# Altium PCB PCB.PcbDoc (part 4 of 10)
Units mm, origin at the board's own origin, x right, y up, seen from the top; angles counter-clockwise.
Board outline 25 x 25 mm, 10 copper layers (Top Layer, bu3, bu2, bu1, Core1, Core1b, bu1b, bu2b, bu3b, Bottom Layer), stack 1.2 mm thick; 43 components, 310 nets, 1945 pads, 12307 vias.
Unrouted connection lines stored in the file: 68.
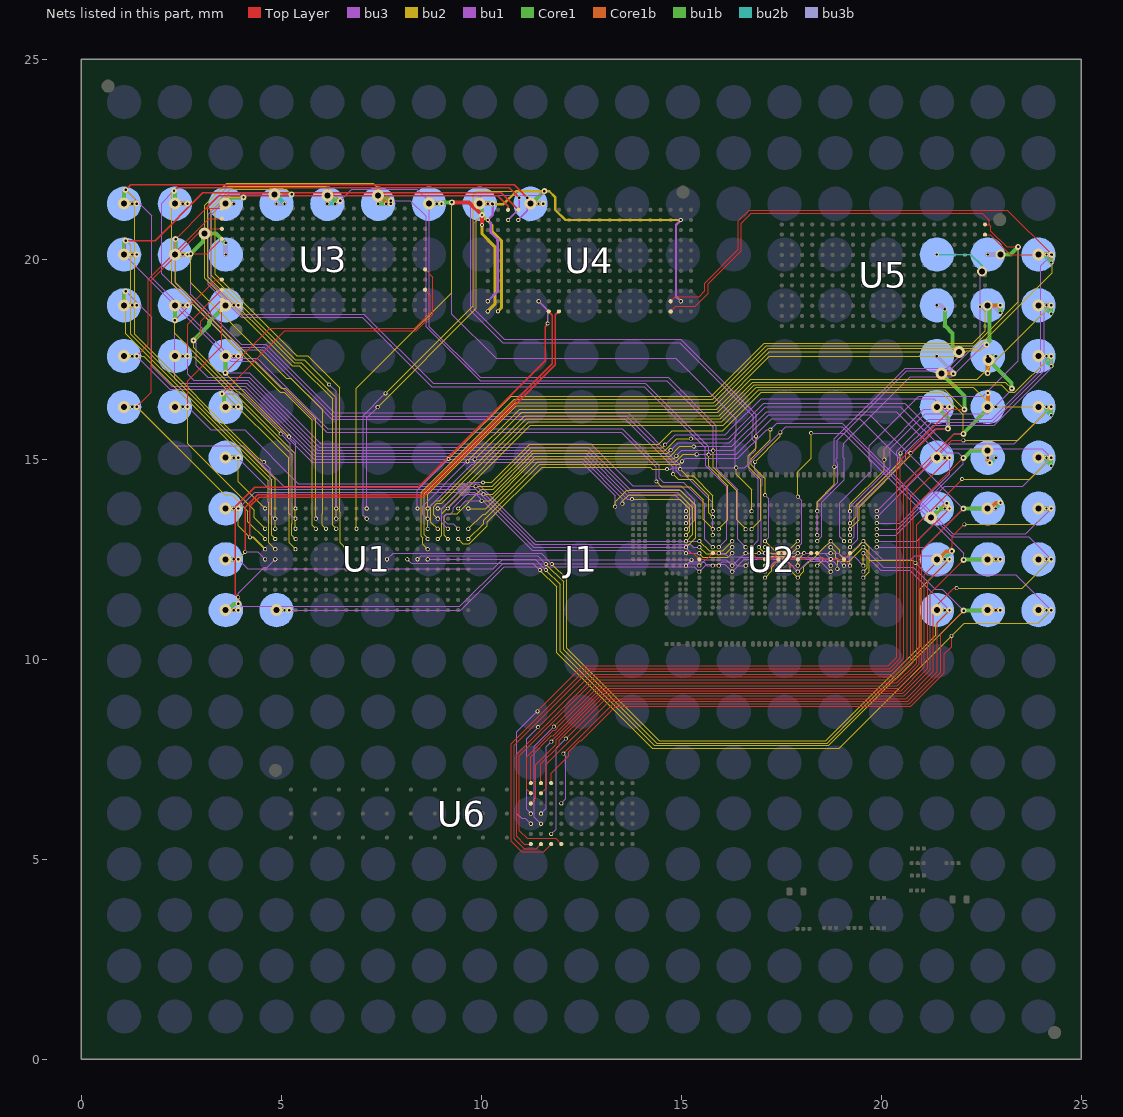
[diagram p12: the nets of this part, all layers, seen from the top]

## Via types
v1: diameter 0.1, hole 0.06, Top Layer to bu3, 2216 vias
v2: diameter 0.1, hole 0.06, bu3 to bu2, 1881 vias
v3: diameter 0.1, hole 0.06, bu3b to Bottom Layer, 1302 vias
v4: diameter 0.1, hole 0.06, bu2b to bu3b, 1272 vias
v5: diameter 0.1, hole 0.06, bu2 to bu1, 1248 vias
v6: diameter 0.15/0.1 (per signal layer), hole 0.06, Core1b to bu1b, 1224 vias
v7: diameter 0.1/0.15 (per signal layer), hole 0.06, bu1 to Core1, 1096 vias
v8: diameter 0.1, hole 0.06, bu1b to bu2b, 1021 vias
v9: diameter 0.25, hole 0.15, Core1 to Core1b, 537 vias
v10: diameter 0.3, hole 0.15, Core1 to Core1b, 253 vias
v11: diameter 0.1/0.1 (per signal layer), hole 0.06, bu1b to bu2b, 114 vias
v12: diameter 0.26, hole 0.15, Core1 to Core1b, 81 vias
v13: diameter 0.1, hole 0.06, bu1 to Core1, 52 vias
v14: diameter 0.105, hole 0.06, Top Layer to bu3, 6 vias
v15: diameter 0.1, hole 0.06, Core1b to bu1b, 4 vias

## Nets (pads, with @x,y where several pads share a name; then routed paths per layer and width w, separated by ;. In a path a pad name is that pad's centre, name@x,y a point inside that pad or via, vN(x,y) a via of type N, cw(c..) or ccw(c..) an arc to the next point about the centre after c; other vN are vias at no path point) (continued)
sig_C11: J1.C11 U1.K2 U2.284 U4.A2 U4.A10 U4.T2 U4.T10 | length 38.3
  bu3 w0.03: v1(7.133,13.516) 7.043,13.606 7.043,16.09 7.601,16.648 v2(7.605,16.648)
  bu3 w0.06: v1(10.162,18.952) 10.406,19.196 10.406,20.5 10.24,20.666 10.24,20.906 v1(10.162,20.984) 10.287,21.109 v2(10.287,21.379) ; v1(14.988,18.952) 14.866,19.074 14.866,20.862 v1(14.988,20.984)
  Core1 w0.1: v3(11.23,21.39) 11.249,21.39 11.561,21.702 v5(11.575,21.702)
  Core1b w0.1: v3(11.23,21.39) v6(11.545,21.391)
  bu3b w0.1: v3(11.23,21.39) v4(11.43,21.39)
  bu2 w0.03: v2(7.605,16.648) 9.797,18.84 9.797,21.619 9.88,21.702 10.877,21.702
  bu2 w0.06: v2(10.287,21.379) 10.554,21.379 10.877,21.702 v5(11.575,21.702) 11.697,21.702 11.845,21.554 11.845,21.241 12.102,20.984 v1(14.988,20.984)
  bu2b w0.1: v3(11.23,21.39) v4(11.43,21.39)
  bu1 w0.03: v5(11.575,21.702) 11.479,21.606 10.012,21.606 9.739,21.333 9.739,18.714 10.535,17.918 14.962,17.918 16.799,16.081 16.799,15.72 16.778,15.699 16.778,15.496 16.858,15.416 16.858,15.227 16.704,15.073 16.704,14.732 16.928,14.508 16.928,12.975 v1(16.757,12.804)
  bu1b w0.1: v3(11.23,21.39) v6(11.545,21.391)
  other v2: 16.757,12.804 14.988,20.984
  other v5: 16.757,12.804
  other v7: 11.575,21.702
  other v8: 11.23,21.39
  other v10: 11.23,21.39
sig_C12: J1.C12 U1.K1 U2.281 U4.B11 | length 26.3
  bu3 w0.03: v1(7.133,13.77) 7.133,16.033 7.406,16.306 v2(7.41,16.306)
  Core1 w0.1: v3(9.96,21.39) 9.998,21.352 9.998,21.14 10.017,21.122 v7(10.017,21.108)
  Core1b w0.1: v3(9.96,21.39) v6(10.275,21.391)
  bu3b w0.1: v3(9.96,21.39) v4(10.16,21.39)
  bu2 w0.03: v2(7.41,16.306) 9.878,18.774 9.878,20.969 v7(10.017,21.108) ; v2@16.757,13.259 16.983,13.485 16.983,14.501 16.67,14.814 16.67,15.095 16.868,15.293 v5(16.868,15.574)
  bu2 w0.08: v7(10.017,21.108) 10.267,20.858 10.267,20.7 10.505,20.462 10.505,18.787 v1(10.416,18.698)
  bu2b w0.1: v3(9.96,21.39) v4(10.16,21.39)
  bu1 w0.03: v7(10.017,21.108) 9.821,20.912 9.821,18.748 10.569,18 14.982,18 16.868,16.114 v5(16.868,15.574)
  bu1b w0.1: v3(9.96,21.39) v6(10.275,21.391)
  other v1: 16.757,13.254
  other v2: 16.757,13.254 10.416,18.698
  other v5: 10.017,21.108
  other v8: 9.96,21.39
  other v10: 9.96,21.39
sig_C13: J1.C13 U1.J3 U2.278 U4.A11 | length 27.8
  Top Layer w0.1: v5(9.264,21.426) 9.696,21.426 10.018,21.104 v1(10.018,20.859)
  Core1 w0.1: v10(8.69,21.39) 8.697,21.384 8.99,21.384 9.033,21.426 v5(9.264,21.426)
  Core1b w0.1: v10(8.69,21.39) v6(9.005,21.391)
  bu3b w0.1: v10(8.69,21.39) v4(8.89,21.39)
  bu2 w0.03: v1(6.879,13.262) 6.879,16.777 9.265,19.163 9.265,21.425 v5(9.264,21.426) ; v5(16.371,14.793) 16.371,14.631 16.757,14.245 v2(16.757,13.704)
  bu2 w0.08: v1(10.018,20.859) 10.016,20.857 10.016,20.638 10.34,20.314 10.34,18.876 v2(10.162,18.698)
  bu2b w0.1: v10(8.69,21.39) v4(8.89,21.39)
  bu1 w0.03: v5(9.264,21.426) 9.264,18.629 10.371,17.522 14.856,17.522 16.379,15.999 16.379,15.641 16.347,15.609 16.347,14.836 16.371,14.812 v5(16.371,14.793)
  bu1b w0.1: v10(8.69,21.39) v6(9.005,21.391)
  other v1: 16.757,13.704 10.162,18.698 9.264,21.426
  other v2: 6.879,13.262 10.018,20.859 9.264,21.426
  other v3: 8.69,21.39
  other v7: 9.264,21.426
  other v8: 8.69,21.39
sig_C14: J1.C14 U1.H3 U2.294 | length 31
  Core1 w0.1: v10(7.419,21.593) 7.457,21.555 7.637,21.555 7.723,21.468 v7(7.737,21.468)
  Core1b w0.1: v10(7.419,21.593) 7.457,21.593 7.65,21.4 7.725,21.4 v6(7.735,21.391)
  bu3b w0.1: v3(7.42,21.39) v4(7.62,21.39)
  bu2 w0.03: v1(6.371,13.262) 6.281,13.352 6.281,13.64 6.287,13.646 6.287,16.509 5.451,17.345 5.272,17.345 3.084,19.533 3.084,21.353 3.632,21.901 7.304,21.901 v7(7.737,21.468) ; v5(15.797,15.219) 15.797,14.803 16.381,14.219 16.381,13.485 v2@16.607,13.259
  bu2b w0.1: v3(7.42,21.39) v4(7.62,21.39)
  bu1 w0.03: v7(7.737,21.468) 8.229,21.468 8.621,21.076 8.621,18.32 9.971,16.97 14.635,16.97 15.797,15.808 v5(15.797,15.219)
  bu1b w0.1: v3(7.42,21.39) v6(7.735,21.391)
  other v1: 16.607,13.254
  other v2: 6.371,13.262 16.607,13.254
  other v5: 7.737,21.468
  other v8: 7.42,21.39
sig_C15: J1.C15 U1.H2 U2.297 | length 31.1
  Core1 w0.1: v6(6.151,21.598) 6.205,21.598 6.333,21.471 6.459,21.471 v7(6.469,21.461)
  bu3b w0.1: v3(6.15,21.39) v4(6.35,21.39)
  bu2 w0.03: v1(6.371,13.516) 6.371,16.541 5.496,17.416 5.319,17.416 3.166,19.569 3.166,21.323 3.674,21.831 6.099,21.831 v7(6.469,21.461)
  bu2b w0.1: v3(6.15,21.39) v4(6.35,21.39)
  bu1 w0.03: v7(6.469,21.461) 6.766,21.758 8.392,21.758 8.701,21.449 8.701,18.32 9.971,17.05 14.668,17.05 15.877,15.841 15.877,15.45 15.867,15.44 15.867,15.3 15.887,15.28 15.887,14.76 16.407,14.24 16.407,13.004 v5(16.607,12.804)
  bu1b w0.1: v6(6.151,21.598) v8@6.151,21.391 ; v3(6.15,21.39) v8@6.151,21.391
  other v1: 16.607,12.804
  other v2: 16.607,12.804 6.371,13.516
  other v5: 6.469,21.461
  other v8: 6.15,21.39
  other v10: 6.151,21.598
sig_C16: J1.C16 U1.H1 U2.313 | length 33.1
  bu3 w0.03: v2(6.198,16.87) 6.371,16.697 v1(6.371,13.77)
  Core1 w0.1: v6(4.832,21.617) 4.836,21.621 5.255,21.621 v7(5.26,21.626)
  bu3b w0.1: v3(4.88,21.39) v4(5.08,21.39)
  bu2 w0.03: v7(5.26,21.626) 5.252,21.626 5.12,21.758 3.717,21.758 3.246,21.287 3.246,19.602 5.354,17.494 5.574,17.494 v2(6.198,16.87)
  bu2b w0.1: v6(4.832,21.617) 4.853,21.617 v4(5.08,21.39)
  bu1 w0.03: v7(5.26,21.626) 5.058,21.626 5.046,21.638 3.685,21.638 3.178,21.131 3.178,19.37 4.001,18.547 7.029,18.547 8.762,16.814 14.067,16.814 15.593,15.288 15.593,15.079 15.615,15.057 15.615,14.839 16.137,14.317 16.137,13.004 v5(15.937,12.804)
  other v1: 15.937,12.804
  other v2: 15.937,12.804
  other v5: 5.26,21.626
  other v8: 4.832,21.617
  other v10: 4.832,21.617
sig_C17: J1.C17 U1.I5 U2.310 | length 30.9
  Core1 w0.1: v3(3.61,21.39) 3.614,21.39 3.771,21.547 v7(4.055,21.547)
  bu3b w0.1: v3(3.61,21.39) v4(3.81,21.39)
  bu2 w0.03: v7(4.055,21.547) 3.624,21.547 3.347,21.27 3.347,19.625 5.382,17.59 5.66,17.59 6.456,16.794 6.456,13.685 6.469,13.672 6.469,12.913 v2@6.628,12.754 ; v5(15.683,15.117) 15.683,14.823 16.163,14.343 16.163,13.485 v2@15.937,13.259
  bu2b w0.1: v3(3.61,21.39) v4(3.81,21.39)
  bu1 w0.03: v7(4.055,21.547) 3.688,21.547 3.249,21.108 3.249,19.415 4.035,18.629 7.063,18.629 8.796,16.896 14.101,16.896 15.685,15.312 15.685,15.119 v5(15.683,15.117)
  other v1: 6.625,12.754 15.937,13.254
  other v2: 6.625,12.754 15.937,13.254
  other v5: 4.055,21.547
  other v6: 3.61,21.39
  other v8: 3.61,21.39
  other v10: 3.61,21.39
sig_C18: J1.C18 U1.F3 U2.321 U4.C2 | length 39.7
  Top Layer w0.035: v1(2.316,21.713) 2.394,21.791 10.7,21.791 v1(10.95,21.541)
  bu3 w0.035: v1(10.67,20.984) 10.95,21.264 v1(10.95,21.541)
  Core1 w0.1: v1(2.316,21.713) 2.316,21.699 2.34,21.675 v8(2.34,21.39)
  Core1b w0.1: v8(2.34,21.39) v6(2.655,21.391)
  bu3b w0.1: v8(2.34,21.39) v4(2.54,21.39)
  bu2 w0.03: v1(2.316,21.713) 2.262,21.659 2.262,19.399 4.978,16.683 5.076,16.683 5.779,15.98 5.779,13.646 5.773,13.64 5.773,13.352 v1(5.863,13.262) ; v5(14.795,14.629) 14.922,14.502 15.27,14.502 15.681,14.091 15.681,13.66 v1(15.787,13.554)
  bu2b w0.1: v8(2.34,21.39) v4(2.54,21.39)
  bu1 w0.03: v1(2.316,21.713) 2.01,21.407 2.01,19.634 3.906,17.738 4.528,17.738 6.263,16.003 13.599,16.003 14.795,14.807 v5(14.795,14.629)
  bu1b w0.1: v8(2.34,21.39) v6(2.655,21.391)
  other v2: 5.863,13.262 15.787,13.554 2.316,21.713
  other v3: 2.34,21.39
  other v5: 2.316,21.713
  other v7: 2.316,21.713
  other v10: 2.34,21.39
sig_C19: J1.C19 U1.B2 U2.326 U4.D2 | length 42.1
  Top Layer w0.035: v2(1.11,21.737) 1.238,21.865 10.828,21.865 v1(11.152,21.541)
  bu3 w0.03: v2(4.562,14.929) 4.725,14.766 4.725,13.627 4.835,13.516 v1(4.848,13.516)
  bu3 w0.035: v1(10.924,20.984) 11.152,21.212 v1(11.152,21.541)
  Core1 w0.1: v8(1.07,21.39) 1.07,21.683 1.11,21.723 v2(1.11,21.737)
  Core1b w0.1: v8(1.07,21.39) v6(1.385,21.391)
  bu3b w0.1: v8(1.07,21.39) v4(1.27,21.39)
  bu2 w0.03: v2(1.11,21.737) 1.33,21.517 1.33,18.123 4.442,15.011 4.461,15.011 4.543,14.929 v2(4.562,14.929)
  bu2b w0.1: v8(1.07,21.39) v4(1.27,21.39)
  bu1 w0.03: v2(1.11,21.737) 1.762,21.085 1.762,19.542 3.778,17.526 4.4,17.526 6.163,15.763 13.522,15.763 14.45,14.835 14.45,14.529 14.547,14.432 15.046,14.432 15.587,13.891 15.587,13.004 v2(15.787,12.804)
  bu1b w0.1: v8(1.07,21.39) v6(1.385,21.391)
  other v1: 15.787,12.804 1.11,21.737
  other v3: 1.07,21.39
  other v5: 15.787,12.804 1.11,21.737
  other v7: 1.11,21.737
  other v10: 1.07,21.39
sig_D1: J1.D1 U1.Q4 U2.196 U4.S10 U5.U2 | length 44.5
  Top Layer w0.03: U4.S10@14.734,18.952 14.852,19.07 15.444,19.07 15.587,19.213 15.587,19.404 16.429,20.246 16.429,20.961 16.698,21.23 23.152,21.23 v7(24.268,20.114) 24.264,20.11 23.229,20.11 22.721,20.618 U5.U2@22.592,20.618
  Core1 w0.1: v3(23.93,20.12) 23.933,20.117 24.265,20.117 v7(24.268,20.114)
  Core1b w0.1: v3(23.93,20.12) v6(24.245,20.121)
  bu3b w0.1: v3(23.93,20.12) v4(24.13,20.12)
  bu2 w0.03: v1(8.658,13.008) 8.66,13.027 8.567,13.119 8.567,14.137 10.847,16.417 15.813,16.417 17.175,17.779 22.385,17.779 24.268,19.662 v7(24.268,20.114)
  bu2b w0.1: v4(24.13,20.12) 24.13,20.04 v8(24.249,19.921)
  bu1 w0.03: v1(19.217,12.954) 19.324,13.061 19.324,13.81 20.409,14.895 20.409,15.091 20.388,15.112 20.388,15.197 21.192,16.001 22.764,16.001 23.991,17.228 23.991,19.837 v7(24.268,20.114)
  bu1b w0.1: v6(24.245,20.121) 24.245,19.925 v8(24.249,19.921)
  other v1: 24.268,20.114
  other v2: 19.217,12.954 8.658,13.008 24.268,20.114
  other v5: 19.217,12.954 24.268,20.114
  other v10: 23.93,20.12
sig_D2: J1.D2 U1.Q5 U2.209 U4.S11 U5.U1 | length 41.6
  Top Layer w0.03: U4.S11@14.734,18.698 14.858,18.822 15.351,18.822 15.679,19.15 15.679,19.395 16.504,20.22 16.504,20.9 16.753,21.149 22.526,21.149 22.701,20.974 22.701,20.865 ; U5.U1@22.599,20.865 22.701,20.865 ; v1(23.419,20.311) 23.136,20.311 22.74,20.707 22.74,20.826 22.701,20.865
  Core1 w0.1: v6(22.975,20.121) 23.228,20.121 v1(23.419,20.311)
  bu3b w0.1: v3(22.66,20.12) v6(22.975,20.121)
  bu2 w0.03: v1(8.657,12.754) 8.53,12.881 8.53,13.041 8.497,13.074 8.497,14.176 10.818,16.497 15.781,16.497 17.129,17.845 22.327,17.845 23.419,18.937 v1(23.419,20.311)
  bu1 w0.03: v1(19.067,12.954) 18.961,13.06 18.961,13.915 19.75,14.704 19.75,14.929 19.704,14.975 19.704,15.345 20.936,16.577 22.537,16.577 23.419,17.459 v1(23.419,20.311)
  other v2: 8.657,12.754 19.067,12.954 23.419,20.311
  other v4: 22.975,20.121
  other v5: 19.067,12.954 23.419,20.311
  other v7: 23.419,20.311
  other v8: 22.975,20.121
  other v9: 22.975,20.121
sig_D3: J1.D3 U1.P1 U2.224 | length 27.3
  bu3 w0.03: v1(8.403,13.77) 8.403,14.231 v2(9.179,15.007)
  bu2 w0.03: v2(9.179,15.007) 10.746,16.574 15.749,16.574 17.079,17.904 22.286,17.904 22.599,18.217 22.599,18.686 v5(22.467,18.818)
  bu2b w0.035: v3(21.39,20.12) 22.239,20.12 22.52,19.839 v7(22.52,19.691)
  bu1 w0.03: v2(18.397,13.104) 18.397,13.911 18.914,14.428 18.914,14.871 18.894,14.891 18.894,14.935 18.879,14.95 18.879,15.008 18.894,15.023 18.894,15.2 18.904,15.21 18.904,15.476 20.64,17.212 21.706,17.212 22.469,17.975 22.469,18.816 v5(22.467,18.818) 22.467,19.619 22.52,19.672 v7(22.52,19.691)
  other v1: 18.397,13.104
  other v4: 21.39,20.12
  other v5: 18.397,13.104
  other v6: 22.52,19.691
  other v8: 22.52,19.691
  other v9: 22.52,19.691
sig_D17: J1.D17 U1.G3 U2.320 U3.U8 | length 27.5
  Top Layer w0.03: v5(2.735,20.137) 3.141,20.137 U3.U8@3.513,20.509
  Core1 w0.1: v5(2.735,20.137) 3.039,20.441 3.039,20.613 v6(3.077,20.651)
  bu3b w0.1: v3(3.61,20.12) v4(3.61,20.412)
  bu2 w0.03: v5(2.735,20.137) 2.735,19.412 5.12,17.027 5.242,17.027 6.033,16.236 6.033,13.646 6.027,13.64 6.027,13.352 v1(6.117,13.262) ; v5(14.973,14.753) 15.141,14.585 15.297,14.585 15.787,14.095 v1(15.787,13.704)
  bu1 w0.03: v5(2.735,20.137) 2.735,19.132 3.994,17.873 4.616,17.873 6.328,16.161 13.67,16.161 14.973,14.858 v5(14.973,14.753)
  bu1b w0.1: v6(3.077,20.651) 3.371,20.651 v4(3.61,20.412)
  other v1: 2.735,20.137
  other v2: 6.117,13.262 15.787,13.704 2.735,20.137
  other v7: 2.735,20.137
  other v8: 3.61,20.412
  other v10: 3.077,20.651
sig_D18: J1.D18 U1.F2 U2.324 U3.U11 U4.C1 | length 37
  Top Layer w0.03: v7(2.358,20.502) 3.127,21.271 U3.U11@3.513,21.271
  Top Layer w0.035: 3.127,21.271 3.441,21.585 10.414,21.585 10.67,21.329 U4.C1@10.67,21.238
  Core1 w0.1: v3(2.34,20.12) 2.349,20.129 2.349,20.493 v7(2.358,20.502)
  Core1b w0.1: v3(2.34,20.12) v6(2.655,20.121)
  bu3b w0.1: v3(2.34,20.12) v4(2.54,20.12)
  bu2 w0.03: v7(2.358,20.502) 2.352,20.496 2.352,19.426 5.004,16.774 5.1,16.774 5.863,16.011 v1(5.863,13.516)
  bu2b w0.1: v3(2.34,20.12) v4(2.54,20.12)
  bu1 w0.03: v7(2.358,20.502) 2.358,19.393 3.949,17.802 4.571,17.802 6.294,16.079 13.636,16.079 14.868,14.847 14.868,14.716 14.99,14.594 15.107,14.594 15.787,13.914 v5(15.787,13.104)
  bu1b w0.1: v3(2.34,20.12) v6(2.655,20.121)
  other v1: 15.787,13.104 2.358,20.502
  other v2: 15.787,13.104 5.863,13.516 2.358,20.502
  other v5: 2.358,20.502
  other v8: 2.34,20.12
  other v10: 2.34,20.12
sig_D19: J1.D19 U1.B3 U2.323 U4.D1 | length 39
  Top Layer w0.035: v2(1.11,20.467) 1.846,20.467 3.041,21.662 10.5,21.662 U4.D1@10.924,21.238
  Core1 w0.1: v3(1.07,20.12) 1.07,20.413 1.11,20.453 v2(1.11,20.467)
  Core1b w0.1: v3(1.07,20.12) v6(1.385,20.121)
  bu3b w0.1: v3(1.07,20.12) v4(1.27,20.12)
  bu2 w0.03: v2(1.11,20.467) 1.23,20.347 1.23,18.122 4.845,14.507 v2@4.845,13.262 ; v5(14.377,14.446) 14.504,14.319 15.224,14.319 15.55,13.993 15.55,13.496 v2@15.787,13.259
  bu2b w0.1: v3(1.07,20.12) v4(1.27,20.12)
  bu1 w0.03: v2(1.11,20.467) 1.11,20.081 3.738,17.453 4.36,17.453 6.13,15.683 13.496,15.683 14.377,14.802 v5(14.377,14.446)
  bu1b w0.1: v3(1.07,20.12) v6(1.385,20.121)
  other v1: 4.848,13.262 15.787,13.254 1.11,20.467
  other v2: 4.848,13.262 15.787,13.254
  other v5: 1.11,20.467
  other v7: 1.11,20.467
  other v8: 1.07,20.12
  other v10: 1.07,20.12
sig_E1: J1.E1 U1.Q1 U2.193 | length 27.5
  bu3 w0.03: v1(8.657,13.77) 9.76,14.873 9.8,14.873 9.834,14.907 v2(9.834,14.997)
  Core1 w0.1: v3(23.93,18.85) v7(24.245,18.851)
  Core1b w0.1: v3(23.93,18.85) v7(24.245,18.851)
  bu3b w0.1: v3(23.93,18.85) v4(24.13,18.85)
  bu2 w0.03: v2(9.834,14.997) 11.016,16.179 15.912,16.179 16.732,16.999 22.393,16.999 v7(24.245,18.851) ; v1(19.217,13.404) 19.378,13.565 19.378,13.838 20.479,14.939 v5(20.479,15.148)
  bu2b w0.1: v4(24.13,18.85) 24.13,18.759 v8(24.246,18.643)
  bu1 w0.03: v5(20.479,15.148) 21.256,15.925 22.788,15.925 24.078,17.215 24.078,18.684 v7(24.245,18.851)
  bu1b w0.1: v7(24.245,18.851) 24.245,18.644 v8(24.246,18.643)
  other v2: 19.217,13.404
  other v5: 24.245,18.851
  other v6: 24.245,18.851
  other v10: 23.93,18.85
sig_E2: J1.E2 U1.Q2 U2.225 | length 25.4
  bu3 w0.03: v1(8.657,13.516) 8.645,13.516 8.535,13.626 8.535,13.832 v2(9.654,14.951)
  Core1 w0.1: v5(22.632,17.866) 22.632,17.88 22.709,17.957 22.709,18.76 22.66,18.809 v9(22.66,18.85)
  Core1b w0.1: v9(22.66,18.85) v6(22.975,18.851)
  bu3b w0.1: v9(22.66,18.85) 22.786,18.85 v4(22.974,18.662)
  bu2 w0.03: v2(9.654,14.951) 10.96,16.257 15.88,16.257 17.203,17.581 21.998,17.581 22.13,17.713 22.479,17.713 v5(22.632,17.866)
  bu1 w0.03: v5(18.397,12.954) 18.517,13.074 18.517,13.932 19.074,14.489 19.074,15.016 19.054,15.036 19.054,15.316 19.063,15.325 19.063,15.403 20.724,17.064 21.762,17.064 22.564,17.866 v5(22.632,17.866)
  bu1b w0.1: v4(22.974,18.662) v6(22.975,18.851)
  other v1: 18.397,12.954
  other v2: 18.397,12.954
  other v3: 22.66,18.85
  other v7: 22.632,17.866
  other v8: 22.974,18.662
sig_E3: J1.E3 U1.Q3 U2.220 | length 23.1
  bu3b w0.1: v3(21.39,18.85) 21.488,18.85 v4(21.59,18.748)
  bu2 w0.03: v1(8.657,13.262) 8.657,14.121 10.871,16.335 15.848,16.335 17.197,17.684 v7(21.938,17.684) ; v2(18.397,13.704) 18.397,13.945 18.824,14.372 v5(18.824,14.81)
  bu1 w0.03: v5(18.824,14.81) 18.824,15.513 20.593,17.282 21.65,17.282 21.935,17.567 21.935,17.681 v7(21.938,17.684)
  bu1b w0.1: v4(21.59,18.748) 21.59,18.341 21.78,18.151 21.78,17.842 v7(21.938,17.684)
  other v1: 18.397,13.704
  other v2: 8.657,13.262
  other v5: 21.938,17.684
  other v6: 21.938,17.684
  other v8: 21.59,18.748
  other v10: 21.938,17.684
sig_E17: J1.E17 U1.D2 U2.338 U3.U2 | length 24.1
  Top Layer w0.03: v2(2.805,17.97) 2.98,18.145 2.98,18.452 U3.U2@3.513,18.985
  bu3 w0.03: v2(4.982,15.64) 5.228,15.394 5.228,13.632 5.343,13.516 v1(5.356,13.516)
  Core1 w0.1: v2(2.805,17.97) 3.196,18.361 3.196,18.429 3.61,18.843 v8(3.61,18.85)
  Core1b w0.1: v8(3.61,18.85) v6(3.925,18.851)
  bu3b w0.1: v8(3.61,18.85) v4(3.81,18.85)
  bu2 w0.03: v2(2.805,17.97) 2.805,17.784 3.903,16.686 3.936,16.686 v2(4.982,15.64)
  bu2b w0.1: v8(3.61,18.85) v4(3.81,18.85)
  bu1 w0.03: v2(2.805,17.97) 2.873,17.902 2.873,17.344 3.165,17.052 4.195,17.052 5.945,15.302 12.668,15.302 13.715,14.255 14.946,14.255 15.275,13.926 15.275,13.562 v1(15.117,13.404)
  bu1b w0.1: v8(3.61,18.85) v6(3.925,18.851)
  other v1: 2.805,17.97
  other v2: 15.117,13.404
  other v3: 3.61,18.85
  other v5: 15.117,13.404 2.805,17.97
  other v7: 2.805,17.97
  other v10: 3.61,18.85
sig_E18: J1.E18 U1.D3 U2.336 U3.U4 | length 25.1
  Top Layer w0.03: v1(2.339,18.475) 3.357,19.493 U3.U4@3.513,19.493
  Core1 w0.1: v1(2.339,18.475) v3(2.34,18.85)
  Core1b w0.1: v3(2.34,18.85) v6(2.655,18.851)
  bu3b w0.1: v3(2.34,18.85) v4(2.54,18.85)
  bu2 w0.03: v1(2.339,18.475) 2.339,18.149 5.353,15.135 v2@5.353,13.262
  bu2b w0.1: v3(2.34,18.85) v4(2.54,18.85)
  bu1 w0.03: v1(2.339,18.475) 2.339,17.017 2.455,16.901 4.132,16.901 5.882,15.151 12.605,15.151 13.652,14.104 14.851,14.104 15.117,13.838 v1(15.117,13.704)
  bu1b w0.1: v3(2.34,18.85) v6(2.655,18.851)
  other v1: 5.356,13.262
  other v2: 5.356,13.262 15.117,13.704 2.339,18.475
  other v5: 15.117,13.704 2.339,18.475
  other v7: 2.339,18.475
  other v8: 2.34,18.85
  other v10: 2.34,18.85
sig_E19: J1.E19 U1.B4 U2.340 | length 26.9
  Core1 w0.1: v8(1.07,18.85) 1.07,19.143 1.11,19.183 v5(1.11,19.197)
  Core1b w0.1: v8(1.07,18.85) v6(1.385,18.851)
  bu3b w0.1: v8(1.07,18.85) v4(1.27,18.85)
  bu2 w0.03: v5(1.11,19.197) 1.11,18.138 4.761,14.487 4.761,13.392 4.755,13.386 4.755,13.098 v2@4.845,13.008 ; v5(13.766,14.006) 14.963,14.006 15.216,13.753 15.216,13.203 v2(15.117,13.104)
  bu2b w0.1: v8(1.07,18.85) v4(1.27,18.85)
  bu1 w0.03: v5(1.11,19.197) 1.761,18.546 1.761,17.323 2.258,16.826 4.101,16.826 5.851,15.076 12.574,15.076 13.644,14.006 v5(13.766,14.006)
  bu1b w0.1: v8(1.07,18.85) v6(1.385,18.851)
  other v1: 4.848,13.008 15.117,13.104
  other v2: 4.848,13.008
  other v3: 1.07,18.85
  other v7: 1.11,19.197
  other v10: 1.07,18.85
sig_F1: J1.F1 U1.R2 U2.197 | length 26.6
  Core1 w0.1: v3(23.93,17.58) v6(24.245,17.581)
  Core1b w0.1: v3(23.93,17.58) v6(24.245,17.581)
  bu3b w0.1: v3(23.93,17.58) v4(24.13,17.58)
  bu2 w0.03: v1(8.911,13.516) 8.81,13.617 8.81,13.818 8.888,13.896 9.009,13.896 11.127,16.014 15.979,16.014 16.825,16.86 22.996,16.86 23.18,16.676 23.34,16.676 v6(24.245,17.581)
  bu2b w0.1: v4(24.13,17.58) 24.13,17.447 v8(24.249,17.328)
  bu1 w0.03: v5(19.217,12.804) 19.417,13.004 19.417,13.804 20.611,14.998 20.611,15.171 21.298,15.858 22.829,15.858 24.245,17.274 v6(24.245,17.581)
  bu1b w0.1: v6(24.245,17.581) 24.245,17.332 v8(24.249,17.328)
  other v1: 19.217,12.804
  other v2: 19.217,12.804 8.911,13.516
  other v5: 24.245,17.581
  other v7: 24.245,17.581
  other v10: 23.93,17.58
sig_F2: J1.F2 U1.R3 U2.195 | length 24.9
  Core1 w0.1: v10(22.675,17.481) 23.251,16.905 23.251,16.781 v7(23.261,16.771)
  Core1b w0.1: v6(22.66,17.154) 22.667,17.162 22.667,17.473 v10(22.675,17.481)
  bu3b w0.1: v3(22.66,17.58) v4(22.86,17.58)
  bu2 w0.03: v1(8.911,13.262) 8.742,13.431 8.742,13.854 8.858,13.97 8.959,13.97 11.08,16.091 15.948,16.091 16.786,16.929 23.103,16.929 v7(23.261,16.771)
  bu2b w0.1: v3(22.66,17.58) v4(22.86,17.58)
  bu1 w0.03: v5(19.217,13.104) 19.217,13.799 20.222,14.804 20.222,15.26 21.101,16.139 22.66,16.139 23.261,16.74 v7(23.261,16.771)
  bu1b w0.1: v6(22.66,17.154) v3(22.66,17.58)
  other v1: 19.217,13.104
  other v2: 19.217,13.104 8.911,13.262
  other v5: 23.261,16.771
  other v8: 22.66,17.58
sig_F3: J1.F3 U1.R4 U2.191 U6.E11 | length 41.4
  Top Layer w0.03: v1(11.404,8.701) 12.541,9.838 20.172,9.838 20.39,10.056 20.39,14.891 21.745,16.246 v7(22.078,16.246)
  bu3 w0.03: v1(11.238,5.889) 11.102,6.025 11.009,6.025 10.89,6.144 10.89,8.187 v1(11.404,8.701)
  Core1 w0.1: v10(21.508,17.148) 22.078,16.578 v7(22.078,16.246)
  Core1b w0.1: v10(21.508,17.148) 21.511,17.146 21.798,17.146 v8(21.8,17.143)
  bu3b w0.1: v3(21.39,17.58) 21.8,17.17 v8(21.8,17.143)
  bu2 w0.03: v1(8.912,13.008) 9.013,13.108 9.013,13.638 11.227,15.852 16.048,15.852 16.933,16.737 21.587,16.737 v7(22.078,16.246) ; v2(19.217,13.704) 19.217,13.871 20.077,14.731 v5(20.077,14.993)
  bu1 w0.03: v5(20.077,14.993) 20.077,15.257 21.066,16.246 v7(22.078,16.246)
  other v1: 19.217,13.704 22.078,16.246
  other v2: 8.912,13.008 22.078,16.246
  other v4: 21.8,17.143
  other v5: 22.078,16.246
  other v6: 21.8,17.143
sig_F17: J1.F17 U1.D1 U2.339 U3.A3 | length 25.8
  Top Layer w0.03: v2(3.603,17.164) 4.712,18.273 8.331,18.273 8.727,18.669 8.727,19.105 U3.A3@8.593,19.239
  bu3 w0.03: v2(5.191,15.566) 5.356,15.401 v1(5.356,13.77)
  Core1 w0.1: v2(3.603,17.164) 3.607,17.167 3.607,17.577 v3(3.61,17.58)
  Core1b w0.1: v3(3.61,17.58) v6(3.925,17.581)
  bu3b w0.1: v3(3.61,17.58) v4(3.81,17.58)
  bu2 w0.03: v2(3.603,17.164) 3.603,17.154 v2(5.191,15.566)
  bu2b w0.1: v3(3.61,17.58) v4(3.81,17.58)
  bu1 w0.03: v2(3.603,17.164) 4.203,17.164 5.981,15.386 12.733,15.386 13.784,14.335 14.983,14.335 15.338,13.98 15.338,13.475 v5(15.117,13.254)
  bu1b w0.1: v3(3.61,17.58) v6(3.925,17.581)
  other v1: 15.117,13.254 3.603,17.164
  other v2: 15.117,13.254
  other v5: 3.603,17.164
  other v7: 3.603,17.164
  other v8: 3.61,17.58
  other v10: 3.61,17.58
sig_F18: J1.F18 U1.D4 U2.337 U3.U3 | length 23.8
  Top Layer w0.03: v6(2.655,17.581) 2.655,18.38 U3.U3@3.513,19.239
  Core1 w0.1: v3(2.34,17.58) v6(2.655,17.581)